# Altium PCB PCB1.PcbDoc (part 2 of 2)
Units mm, origin at the board's own origin, x right, y up, seen from the top; angles counter-clockwise.
Board outline 99.31 x 99.06 mm, 2 copper layers (Top Layer, Bottom Layer); 240 components, 194 nets, 883 pads, 354 vias.
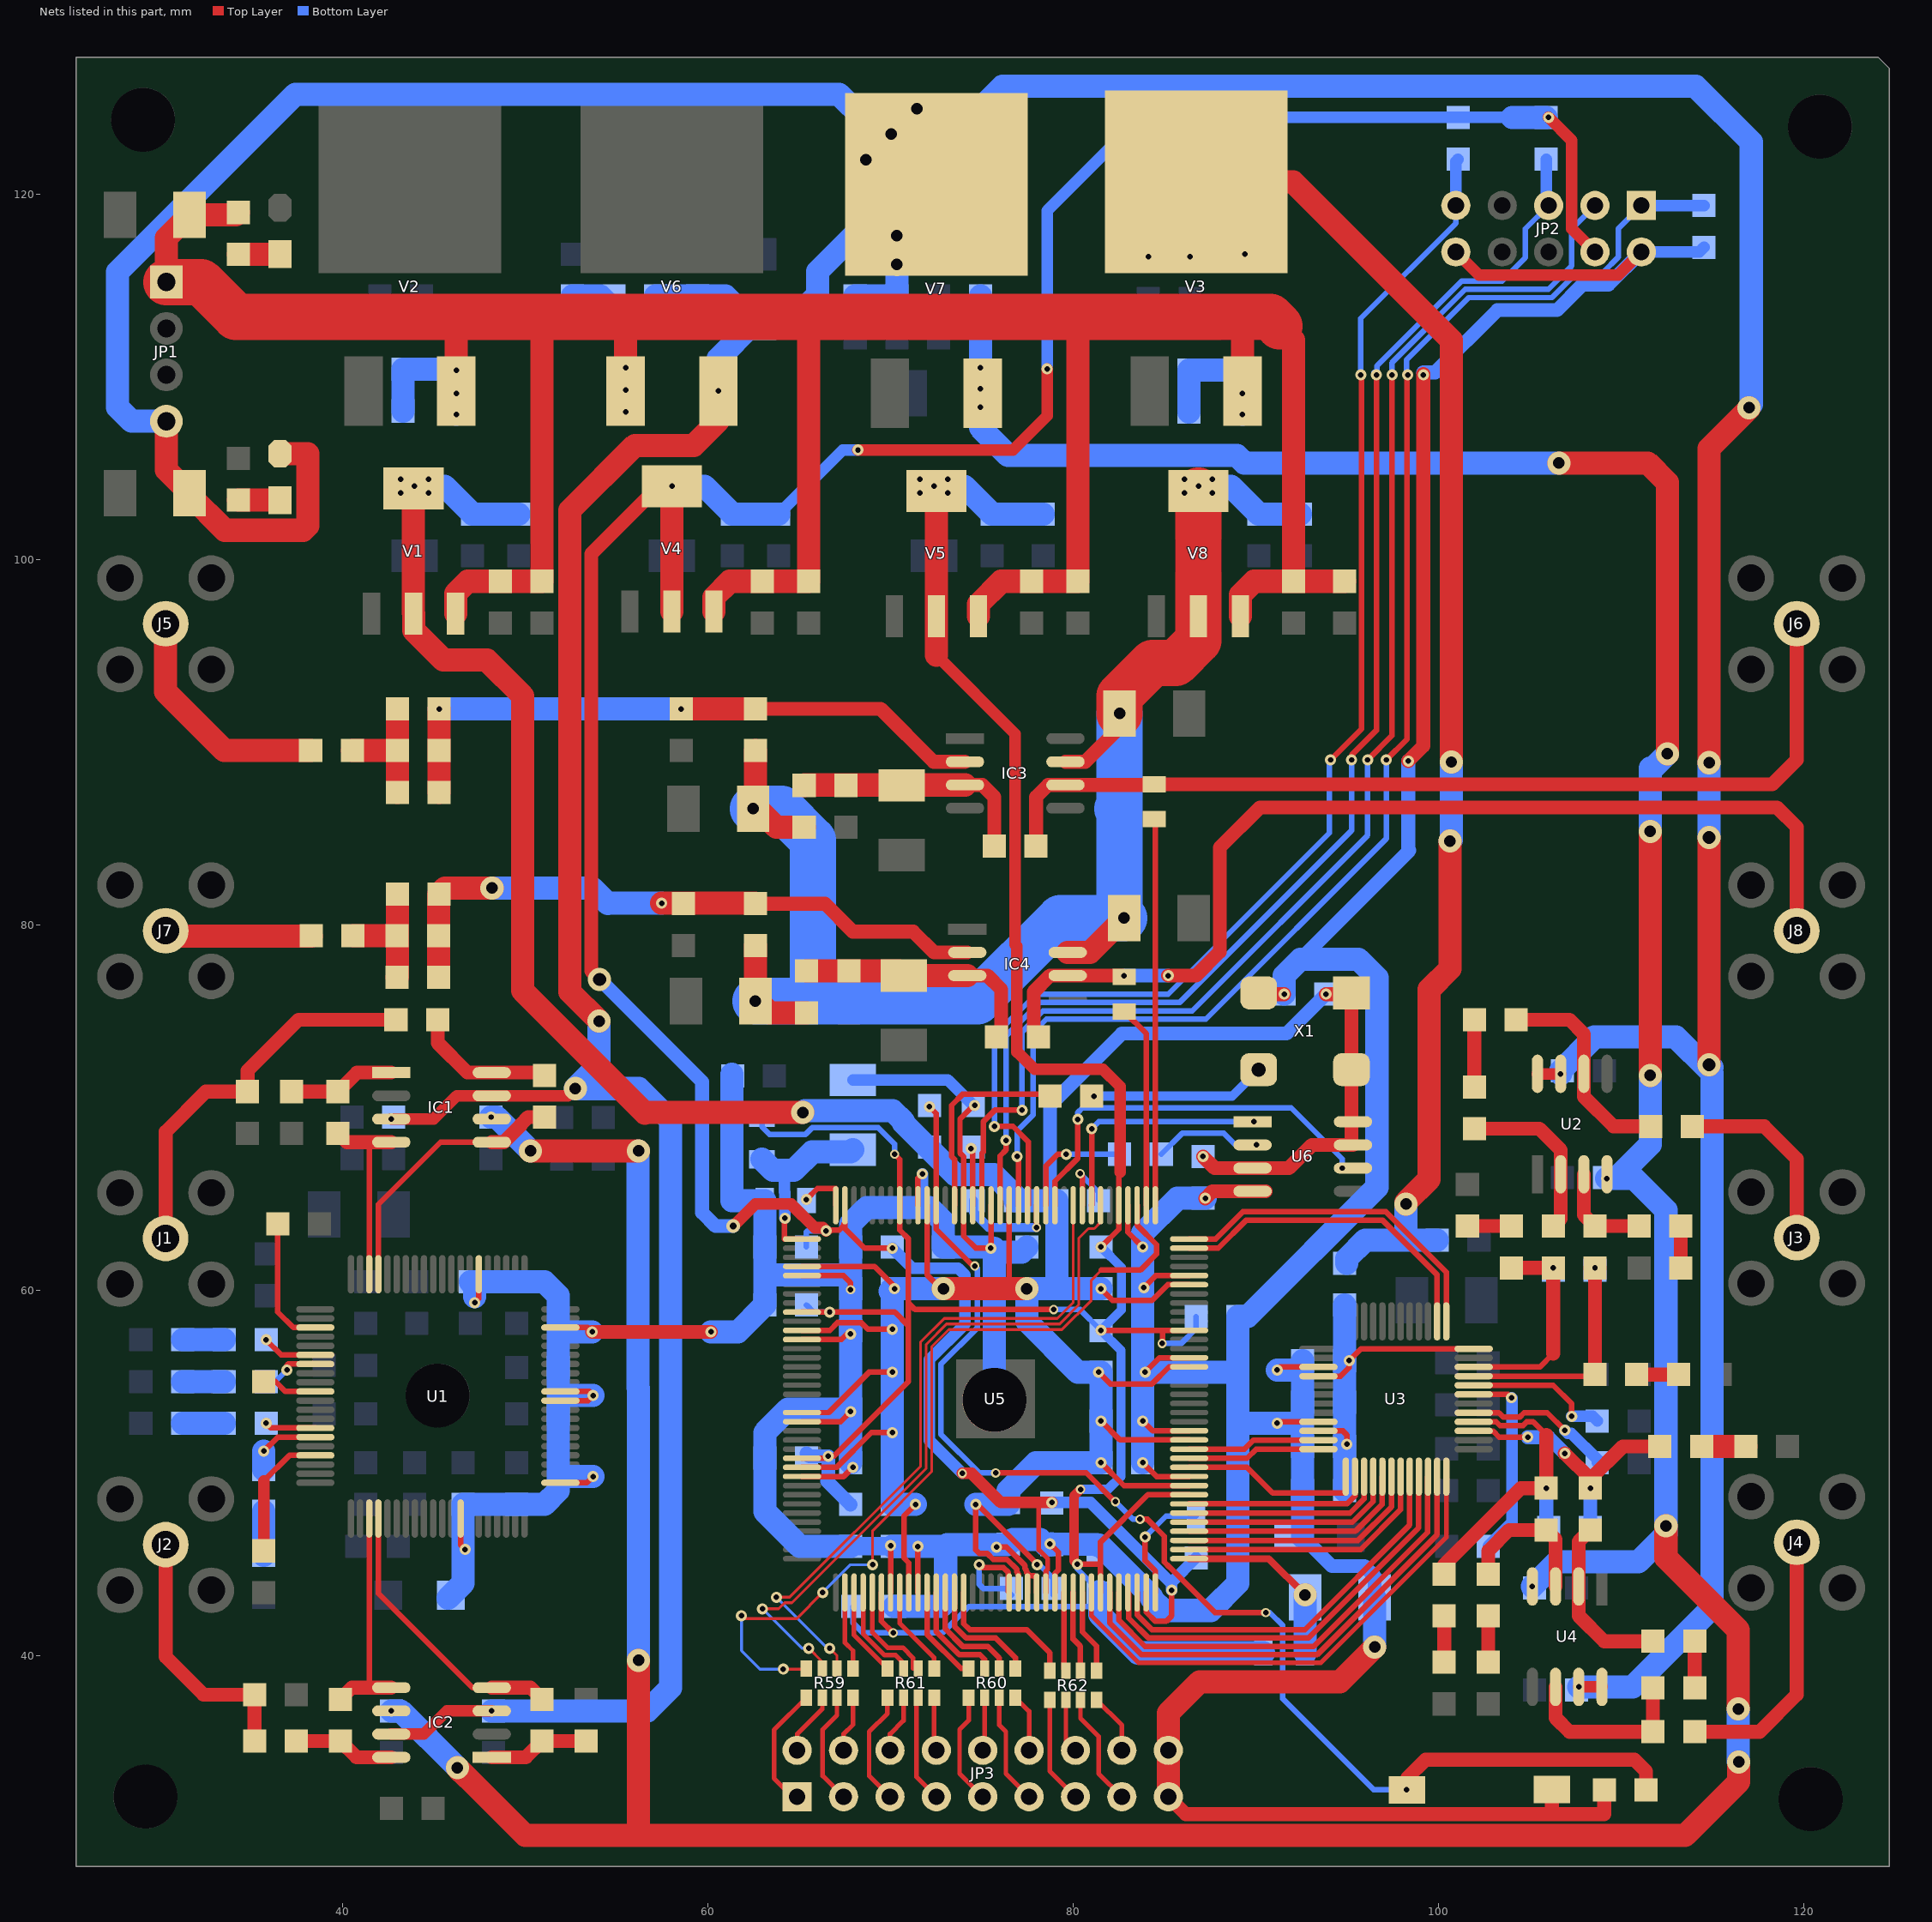
[diagram p2: the nets of this part, all layers, seen from the top]

## Via types
v1: diameter 0.61, hole 0.305, Top Layer to Bottom Layer, 236 vias
v2: diameter 1.27, hole 0.635, Top Layer to Bottom Layer, 79 vias
v3: diameter 0.508, hole 0.305, Top Layer to Bottom Layer, 17 vias
v4: diameter 0.66, hole 0.33, Top Layer to Bottom Layer, tented top, 16 vias
v5: diameter 1.27, hole 0.711, Top Layer to Bottom Layer, 3 vias
v6: diameter 1.27, hole 0.762, Top Layer to Bottom Layer, 1 vias
v7: diameter 1.27, hole 0.61, Top Layer to Bottom Layer, 1 vias
v8: diameter 0.762, hole 0.381, Top Layer to Bottom Layer, 1 vias

## Nets (pads, with @x,y where several pads share a name; then routed paths per layer and width w, separated by ;. In a path a pad name is that pad's centre, name@x,y a point inside that pad or via, vN(x,y) a via of type N, cw(c..) or ccw(c..) an arc to the next point about the centre after c; other vN are vias at no path point) (continued)
DAC_DA12: U3.2 U5.143 | length 18
  Top Layer w0.305: U5.143@86.36,62.292 87.957,62.292 89.496,63.83 96.94,63.83 99.941,60.829 U3.2@99.941,58.286
DAC_DA13: U3.1 U5.144 | length 18.8
  Top Layer w0.305: U5.144@86.36,62.792 87.811,62.792 89.306,64.287 97.13,64.287 100.441,60.976 U3.1@100.441,58.286
DAC_DB0: U3.36 U5.101 | length 27.9
  Top Layer w0.254: U5.101@81.01,43.442 81.01,42.17 83.581,39.599 93.574,39.599 100.441,46.466 U3.36@100.441,49.784
DAC_DB1: U3.35 U5.103 | length 26.2
  Top Layer w0.305: U5.103@82.01,43.442 82.01,41.78 83.76,40.03 93.37,40.03 99.941,46.601 U3.35@99.941,49.784
DAC_DB2: U3.34 U5.104 | length 24.7
  Top Layer w0.305: U5.104@82.51,43.442 82.51,41.927 83.949,40.488 93.181,40.488 99.421,46.727 99.421,49.764 U3.34@99.441,49.784
DAC_DB3: U3.33 U5.105 | length 23.1
  Top Layer w0.305: U5.105@83.01,43.442 83.053,43.399 83.053,42.031 84.139,40.945 92.888,40.945 98.921,46.978 98.921,49.764 U3.33@98.941,49.784
DAC_DB4: U3.32 U5.106 | length 21.5
  Top Layer w0.305: U5.106@83.51,43.442 83.51,42.22 84.328,41.402 92.698,41.402 98.441,47.145 U3.32@98.441,49.784
DAC_DB5: U3.31 U5.110 | length 14.3
  Top Layer w0.305: U5.110@86.36,45.792 95.749,45.792 97.941,47.984 U3.31@97.941,49.784
DAC_DB6: U3.30 U5.111 | length 13.5
  Top Layer w0.305: U5.111@86.36,46.292 95.602,46.292 97.441,48.13 U3.30@97.441,49.784
DAC_DB7: U3.29 U5.112 | length 12.7
  Top Layer w0.305: U5.112@86.36,46.792 95.456,46.792 96.921,48.257 96.921,49.764 U3.29@96.941,49.784
DAC_DB8: U3.28 U5.113 | length 11.9
  Top Layer w0.305: U5.113@86.36,47.292 95.309,47.292 96.441,48.423 U3.28@96.441,49.784
DAC_DB9: U3.27 U5.114 | length 11.1
  Top Layer w0.305: U5.114@86.36,47.792 95.163,47.792 95.941,48.57 U3.27@95.941,49.784
DAC_DB10: U3.26 U5.115 | length 10.3
  Top Layer w0.305: U5.115@86.36,48.292 95.002,48.292 95.441,48.73 U3.26@95.441,49.784
DAC_DB11: U3.25 U5.119 | length 10
  Top Layer w0.305: U5.119@86.36,50.292 89.535,50.292 90.932,48.895 94.941,48.895 U3.25@94.941,49.784
DAC_DB12: U3.24 U5.120 | length 7.3
  Top Layer w0.305: U5.120@86.36,50.792 89.538,50.792 90.031,51.285 U3.24@93.44,51.285
DAC_DB13: U3.23 U5.121 | length 7.3
  Top Layer w0.305: U5.121@86.36,51.292 89.392,51.292 89.885,51.785 U3.23@93.44,51.785
DAC_DVCC: C63.2 C64.2 C65.2 C66.2 R24.2 U3.16 U3.22 U3.48 | length 21.3
  Top Layer w0.305: U3.22@93.44,52.285 94.781,52.285 94.996,52.07 v1(94.996,51.562) ; U3.16@93.44,55.285 94.655,55.285 95.123,55.753 v1(95.123,56.134) 95.774,56.785 U3.48@101.942,56.785
  Bottom Layer w1.27: C66.2@94.869,49.022 C65.2@94.869,51.435 ; C65.2@94.869,51.689 C64.2@94.869,53.848 C63.2@94.869,56.007 ; C63.2@94.869,56.134 R24.2@94.869,59.182
DAC_VCC: C11.2 C12.2 E7.1 R24.1 R26.2 V3.2 | length 78.8
  Top Layer w1.27: V3.2@86.741,120.67 92.055,120.67 100.711,112.014 v7(100.711,88.9) ; v2(98.234,64.706) 98.234,64.804 99.504,66.074 99.504,76.454 100.647,77.597 v2(100.647,84.582)
  Bottom Layer w1.27: v1(84.124,116.586) v1(86.411,116.586) 89.281,116.586 v1(89.408,116.713) ; R24.1@94.996,61.468 94.996,61.722 96.012,62.738 98.234,62.738 ; v2(98.234,64.706) 98.234,62.738 ; R26.2@99.949,62.738 98.234,62.738 ; v2(100.647,84.582) 100.711,84.645 v7(100.711,88.9)
DATA: R58.2 U5.13 | length 6.4
  Top Layer w0.305: U5.13@78.51,64.642 78.51,66.778 79.169,67.437 v1(79.629,67.437)
  Bottom Layer w0.305: v1(79.629,67.437) R58.2@82.55,67.437
DCLK: U5.12 U6.6 | length 21.8
  Top Layer w0.305: U5.12@79.01,64.642 79.01,65.956 80.264,67.21 v1(80.264,69.342)
  Bottom Layer w0.305: v1(80.264,69.342) 80.264,69.723 80.518,69.977 91.948,69.977 94.742,67.183 v1(94.742,66.675)
DGND: C39.1 C40.1 C41.1 C42.1 C43.1 C44.1 C63.1 C64.1 C65.1 C66.1 C75.1 C76.1 C77.1 C78.1 C79.1 C80.1 C81.1 C82.1 C83.1 C84.1 C85.1 C86.1 C87.1 C88.1 C89.1 C90.1 C91.1 C92.1 C93.1 C94.1 C95.1 C96.1 C97.1 C98.1 C99.1 C100.1 C101.1 E15.2 E16.2 JP2.2 JP2.10 JP3.17 JP3.18 L1.2 L3.2 pad.5 R6.2 R29.1 R49.1 R54.2 R66.1 SW1.1 U1.33 U1.41 U1.50 U1.51 U1.58 U1.66 U3.15 U3.21 U5.4 U5.19 U5.22 U5.27 U5.41 U5.48 U5.57 U5.63 U5.79 U5.82 U5.94 U5.95 U5.97 U5.118 U5.123 U5.131 U5.140 U6.4 X1.2 | length 419.7
  Top Layer w0.305: U1.33@46.462,47.491 46.462,46.045 v1(46.711,45.796) ; v1(47.244,59.309) 47.462,59.527 U1.66@47.462,60.866 ; U1.41@51.929,49.447 53.384,49.447 v1(53.721,49.784) ; U1.50@51.929,53.947 53.439,53.947 v1(53.721,54.229) 53.503,54.447 U1.51@51.929,54.447 ; U1.58@51.929,57.947 53.432,57.947 v1(53.67,57.709) ; U5.63@65.16,49.792 67.445,49.792 v1(67.945,50.292) ; U5.57@65.16,52.792 67.27,52.792 v1(67.818,53.34) ; U5.48@65.16,57.292 67.325,57.292 67.627,57.594 v1(67.818,57.594) ; U5.41@65.16,60.792 67.428,60.792 67.818,60.401 v3(67.818,60.02) ; U5.79@70.01,43.442 v1(70.01,46.007) v1@70.071,46.007 ; U5.82@71.51,43.442 v1(71.51,45.965) ; U5.27@71.51,64.642 71.51,66.112 v1(71.755,66.358) ; v1(74.612,70.104) 74.549,70.104 73.812,69.367 73.812,67.502 74.01,67.304 U5.22@74.01,64.642 74.01,62.96 74.676,62.293 v1(75.501,62.293) 75.51,62.302 U5.19@75.51,64.642 ; v1(75.819,45.923) 76.365,45.923 77.379,44.909 77.379,44.762 77.422,44.719 77.422,44.652 77.47,44.604 77.47,44.528 U5.94@77.51,44.488 ; U5.94@77.51,43.442 U5.94@77.51,44.488 ; U5.95@78.01,43.442 78.01,44.215 77.876,44.348 77.649,44.348 U5.94@77.51,44.488 ; v1(78.74,46.101) 79.197,45.644 79.197,44.672 79.01,44.485 U5.97@79.01,43.442 ; U5.4@83.01,64.642 83.01,63.167 v1(83.82,62.357) ; v1(83.82,50.546) 84.574,49.792 U5.118@86.36,49.792 ; v1(83.82,52.832) 84.36,52.292 U5.123@86.36,52.292 ; v1(83.883,60.134) 84.541,60.792 U5.140@86.36,60.792 ; v1(83.947,55.499) 84.74,56.292 U5.131@86.36,56.292 ; v1(91.186,52.705) 91.266,52.785 U3.21@93.44,52.785 ; v1(91.186,55.626) 91.345,55.785 U3.15@93.44,55.785
  Top Layer w0.635: JP2.10@100.965,116.84 102.235,115.57 109.855,115.57 JP2.2@111.125,116.84
  Top Layer w0.762: v1(53.67,57.709) v1(60.173,57.709) ; JP3.17@85.217,32.258 86.169,31.305 106.231,31.305 ; v1(87.249,65.024) 87.63,65.405 U6.4@89.833,65.405 U6.4@90.551,65.405 ; X1.2@90.17,76.268 90.238,76.2 v1(91.567,76.2) ; v1(98.361,88.963) 99.187,89.789 v1(99.187,110.109) v1@99.187,110.16 ; SW1.1@106.231,32.659 106.231,31.305 ; C76.1@109.093,32.639 109.093,31.305 106.231,31.305
  Top Layer w1.27: JP3.17@85.217,32.258 JP3.18@85.217,34.798 85.217,36.83 86.931,38.544 94.615,38.544 v2(96.52,40.45)
  Bottom Layer w0.635: E16.2@67.945,71.501 73.152,71.501 R49.1@74.549,70.104 ; v1(71.755,66.358) 71.755,64.897 72.136,64.516 ; JP2.2@111.125,116.84 114.3,116.84 R54.2@114.554,117.094
  Bottom Layer w0.762: 92.456,78.105 98.425,84.074 98.361,84.138 v1(98.361,88.963) ; 92.583,46.482 94.183,44.882 95.961,44.882 96.52,44.323 E15.2@96.52,43.18 ; v1@99.187,110.236 99.822,110.236 103.238,113.652 106.506,113.652 107.903,115.049 109.327,115.049 JP2.2@111.121,116.844
  Bottom Layer w1.016: C100.1@67.818,45.974 C82.1@70.104,45.974
  Bottom Layer w1.27: R6.2@45.771,43.116 R6.2@45.936,43.282 46.609,43.955 C42.1@46.609,48.26 C41.1@49.53,48.26 51.054,48.26 51.816,49.022 51.816,49.784 ; 47.244,59.642 47.244,60.198 C43.1@46.99,60.452 C44.1@49.53,60.452 51.054,60.452 51.816,59.69 51.816,57.785 ; v1(53.67,57.709) 51.892,57.709 51.816,57.785 ; v1(53.721,49.784) 51.816,49.784 ; v1(53.721,54.229) 51.816,54.229 ; v1(60.173,57.709) 61.646,57.709 C95.1@63.119,59.182 63.119,60.833 ; R66.1@61.316,71.806 61.316,64.897 L1.2@63.119,64.897 C93.1@63.119,62.357 63.119,60.833 ; C100.1@67.818,45.974 65.024,45.974 63.119,47.879 C96.1@63.119,50.8 63.119,52.197 64.389,53.467 C80.1@67.818,53.467 ; C81.1@67.818,50.546 v1(67.818,53.34) C80.1@67.818,53.467 ; C82.1@70.104,45.974 73.025,45.974 ; C99.1@70.231,42.672 72.771,42.672 73.025,42.926 73.025,45.974 ; pad.5@75.692,53.975 75.692,62.103 v1(75.501,62.293) 75.438,62.357 C89.1@72.898,62.357 72.898,63.754 72.136,64.516 68.707,64.516 67.818,63.627 C91.1@67.818,62.357 67.818,60.96 ; v1@75.692,62.289 75.903,62.078 77.191,62.078 C88.1@77.47,62.357 ; C83.1@76.251,46.05 73.101,46.05 73.025,45.974 ; C83.1@76.429,46.063 76.712,46.346 78.202,46.346 78.48,46.068 78.709,46.068 78.742,46.037 78.771,46.059 78.812,46.09 78.841,46.111 78.843,46.111 81.206,46.052 81.28,46.05 81.291,46.048 81.432,46.027 81.49,46.018 84.303,43.205 84.303,43.103 84.95,42.456 87.541,42.456 89.027,43.942 C92.1@89.027,45.339 L3.2@89.027,47.625 89.027,52.705 ; v1(83.82,50.546) v1(83.82,52.832) C86.1@83.82,55.498 ; v1(87.249,65.024) C77.1@87.122,65.024 85.725,65.024 83.82,63.119 v1(83.82,62.357) C87.1@83.82,60.071 C94.1@83.82,57.784 C86.1@83.82,55.498 ; v1(91.186,55.626) C63.1@92.583,55.626 ; v1(91.567,76.2) 91.567,77.216 92.456,78.105 95.631,78.105 96.647,77.089 96.647,65.63 89.564,58.547 C98.1@89.027,58.547 89.027,55.626 ; 92.583,46.482 C66.1@92.583,49.022 C65.1@92.583,51.435 92.583,52.705 ; C63.1@92.583,56.134 C63.1@92.583,55.626 ; v2(96.52,40.45) E15.2@96.52,43.18 ; 51.816,49.784 C40.1@51.816,53.213 51.816,54.229 ; 51.816,54.229 C39.1@51.816,55.752 51.816,57.785 ; 63.119,60.833 67.691,60.833 67.818,60.96 ; C80.1@67.818,53.467 v1(67.818,57.594) C79.1@67.818,57.784 v3(67.818,60.02) C78.1@67.818,60.071 67.818,60.96 ; C86.1@83.82,55.498 88.899,55.498 89.027,55.626 ; 89.027,52.705 v1(91.186,52.705) 92.583,52.705 ; 89.027,52.705 89.027,55.626 ; 92.583,52.705 C64.1@92.583,53.848 C63.1@92.583,55.626
FPGA_1.2V: C23.2 C24.2 C94.2 C95.2 C96.2 C97.2 C98.2 C99.2 C100.2 C101.2 E10.1 L2.1 L4.1 U5.5 U5.29 U5.45 U5.61 U5.78 U5.102 U5.116 U5.134 V5.2 | length 177.6
  Top Layer w0.305: U5.61@65.16,50.792 66.54,50.792 66.599,50.851 v1(66.599,50.901) 66.903,50.901 70.993,54.991 70.993,58.039 ; U5.45@65.16,58.792 v1(66.675,58.792) 70.24,58.792 70.993,58.039 ; U5.78@69.51,43.442 69.51,41.869 v3(70.155,41.224) ; v3(70.231,67.437) 70.51,67.158 U5.29@70.51,64.642 ; U5.29@70.508,64.687 70.508,63.287 70.993,62.801 70.993,59.284 ; v3(78.943,58.928) 71.349,58.928 70.993,59.284 ; v1(80.239,44.983) 81.459,44.983 81.51,44.933 ; U5.102@81.51,43.442 81.51,44.933 ; v1(81.527,57.792) 84.912,57.792 ; v1(81.534,62.357) 82.51,63.333 U5.5@82.51,64.642 82.51,66.381 82.575,66.446 ; v3(84.887,57.074) 84.912,57.099 84.912,57.792 ; U5.116@86.36,48.792 84.098,48.792 81.51,46.204 81.51,44.933 ; U5.134@86.36,57.792 84.912,57.792 ; 70.993,58.039 70.993,59.284
  Top Layer w0.508: v1(80.239,44.983) 80.061,45.161 80.061,48.73 v3(80.416,49.085)
  Top Layer w0.635: 72.517,94.767 76.835,90.449 76.835,82.817 76.822,82.804 76.822,78.93 76.924,78.829 76.924,73.032 76.955,73.032 77.902,72.085 81.636,72.085 82.575,71.145 82.575,66.446
  Top Layer w1.27: 72.517,94.767 V5.2@72.517,96.901 V5.2@72.517,103.759
  Bottom Layer w0.305: L2.1@62.967,69.444 62.967,68.936 63.373,68.529 65.359,68.529 65.714,68.885 69.341,68.885 70.231,67.995 v3(70.231,67.437) ; C95.2@65.405,59.182 65.795,58.792 v1(66.675,58.792) ; C99.2@67.945,42.672 67.945,41.783 68.504,41.224 v3(70.155,41.224) 72.847,41.224 74.295,42.672 81.026,42.672 81.458,42.24 ; v3(78.943,58.928) 80.391,58.928 v1(81.527,57.792) ; v1(80.239,44.983) 80.239,44.729 C101.2@81.458,43.51 ; v3(84.887,57.074) 85.928,57.074 86.741,57.887 C98.2@86.741,58.547
  Bottom Layer w0.508: v3(80.416,49.085) 81.918,49.085 82.626,49.794 82.626,56.693 v1(81.527,57.792) 82.652,58.916 82.652,61.239 v1(81.534,62.357)
  Bottom Layer w0.762: C96.2@65.405,51.054 65.558,50.901 v1(66.599,50.901) 66.599,49.581 66.548,49.53 C100.2@67.818,48.26
  Bottom Layer w1.27: v1(72.39,104.013) 74.041,104.013 C23.2@75.565,102.489 C24.2@78.359,102.489 ; C101.2@81.458,43.51 81.458,42.24 83.566,40.132 L4.1@90.424,40.132
  other v1: 71.628,103.632 73.152,103.632 71.628,104.394 73.152,104.394
FPGA_2.5V: C15.2 C16.2 C90.2 C91.2 C92.2 C93.2 E8.1 JP2.4 R55.2 R56.2 U5.35 U5.96 U5.107 V4.2 | length 181.5
  Top Layer w0.254: 78.105,48.362 78.13,48.336 78.13,45.771 78.616,45.285 78.616,44.716 78.51,44.61 78.51,44.574
  Top Layer w0.305: v1(66.484,63.246) 66.739,63.246 66.779,63.287 67.198,63.287 67.465,63.553 67.465,63.645 67.51,63.691 67.51,63.364 68.58,62.293 v1(70.104,62.293) ; U5.96@78.51,43.442 78.51,44.574 ; U5.107@84.01,43.442 84.01,42.367 84.517,41.859 85.103,41.859 85.407,42.164 v1(85.407,43.561)
  Top Layer w0.635: v8(61.392,63.5) 62.598,64.706 64.563,64.706 65.858,63.412 66.317,63.412 66.482,63.246 v1(66.484,63.246) ; v1(68.224,105.994) 76.708,105.994 78.588,107.874 v1(78.588,110.439) ; v3(73.939,49.962) 74.447,49.962 76.048,48.362 78.105,48.362 v1(78.842,48.362) ; v1(106.045,124.206) 107.315,122.936 107.315,118.11 JP2.4@108.585,116.84
  Top Layer w0.762: v5(54.077,77.013) 53.619,77.47 53.619,100.305 V4.2@57.328,104.013
  Top Layer w1.27: V4.2@57.328,104.013 v1(58.039,104.013) V4.2@58.039,97.155
  Bottom Layer w0.305: C93.2@65.405,62.357 65.405,63.182 65.469,63.246 v1(66.484,63.246)
  Bottom Layer w0.635: C16.2@63.881,102.489 67.386,105.994 v1(68.224,105.994) ; v1(70.104,62.293) 71.209,61.189 73.715,61.189 74.092,60.812 74.092,58.141 72.136,56.185 72.136,51.765 v3(73.939,49.962) ; v1(78.588,110.439) 78.588,119.101 83.693,124.206 R56.2@101.092,124.206 104.064,124.206 ; v1(78.842,48.362) 80.958,48.362 85.407,43.912 ; v1(85.407,43.561) 85.407,43.912 ; C92.2@86.741,45.339 85.407,44.005 85.407,43.912 ; JP2.4@108.585,116.84 JP2.4@108.712,116.84
  Bottom Layer w0.762: v5(54.077,77.013) 59.69,71.399 59.69,64.237 60.427,63.5 v8(61.392,63.5)
  Bottom Layer w1.27: v1(58.039,104.013) 59.817,104.013 C15.2@61.341,102.489 C16.2@63.881,102.489 ; 104.064,124.206 R55.2@105.918,124.206
FPGA_3.3V: C3.2 C4.2 C75.2 C77.2 C78.2 C79.2 C80.2 C81.2 C82.2 C83.2 C84.2 C85.2 C86.2 C87.2 C88.2 C89.2 E2.1 R50.1 R51.1 R52.1 R57.2 U5.17 U5.26 U5.40 U5.47 U5.56 U5.62 U5.81 U5.93 U5.117 U5.122 U5.130 U5.139 U6.3 U6.7 U6.8 V1.2 X1.1 X1.4 | length 235.3
  Top Layer w0.305: U5.62@65.16,50.292 67.056,50.292 68.961,52.197 v1(70.104,52.197) ; U5.56@65.16,53.292 66.627,53.292 68.834,55.499 v1(70.104,55.499) ; U5.47@65.16,57.792 66.682,57.792 67.12,58.229 67.145,58.204 68.415,58.204 68.77,57.848 v1(70.104,57.848) ; U5.40@65.16,61.292 69.137,61.292 70.231,60.198 v1(70.231,60.071) ; U5.81@71.01,43.442 71.01,45.068 70.739,45.339 70.739,47.625 v1(71.374,48.26) ; U5.26@72.01,64.642 72.01,60.832 72.771,60.071 v2(72.898,60.071) ; 76.51,60.127 U5.17@76.51,64.642 ; U5.93@77.01,43.442 77.01,44.417 76.965,44.463 76.965,44.53 76.922,44.573 76.922,44.719 76.388,45.254 75.626,45.254 75.312,45.568 74.879,45.568 74.676,45.771 v1(74.676,48.26) 74.778,48.26 78.032,45.006 v1(78.032,44.958) ; v1(81.407,55.499) 82.042,54.864 84.328,54.864 85.256,55.792 U5.130@86.36,55.792 ; v1(81.534,50.546) 82.788,49.292 U5.117@86.36,49.292 ; v1(81.534,52.832) 82.574,51.792 U5.122@86.36,51.792 ; v1(81.534,60.071) 82.169,59.436 84.328,59.436 85.184,60.292 U5.139@86.36,60.292
  Top Layer w0.762: v1(87.122,67.31) 87.757,66.675 U6.3@89.833,66.675 91.821,66.675 93.091,67.945 U6.7@95.333,67.945 ; v1(93.853,76.2) 95.182,76.2 X1.1@95.25,76.268 U6.7@95.25,68.028
  Top Layer w1.27: V1.2@43.878,97.091 V1.2@43.878,103.95 ; V1.2@43.892,97.028 43.892,96.126 45.529,94.488 47.904,94.488 49.86,92.532 49.86,76.389 56.564,69.685 56.603,69.723 v2(65.202,69.723) ; v2(72.898,60.071) v2(77.47,60.071)
  Bottom Layer w0.305: v1@78.067,45.06 78.93,44.196 R50.1@78.93,43.307
  Bottom Layer w0.762: 78.359,64.897 78.74,65.278 78.74,70.104 82.677,74.041 91.694,74.041 v1(93.853,76.2)
  Bottom Layer w1.27: v1(43.942,104.013) 45.593,104.013 C3.2@47.117,102.489 C4.2@49.657,102.489 ; v2(65.202,69.723) 65.303,69.825 70.129,69.825 70.714,69.24 70.714,69.143 73.537,66.319 75.667,66.319 76.835,65.151 R51.1@76.835,64.897 78.359,64.897 R52.1@79.121,64.897 79.121,60.071 v1(81.534,60.071) ; C79.2@70.104,57.784 v1(70.104,55.499) C80.2@70.104,53.467 v1(70.104,52.197) C81.2@70.104,50.546 C82.2@70.104,48.26 v1(71.374,48.26) ; v1(70.104,57.848) 70.104,59.817 69.977,59.944 C78.2@70.104,60.071 v1(70.231,60.071) v2(72.898,60.071) ; v1(74.676,48.26) 76.454,48.26 C83.2@76.454,48.362 76.454,49.022 77.978,50.546 v1(81.534,50.546) v1(81.534,52.832) C86.2@81.534,55.498 ; 78.994,60.071 v2(77.47,60.071) 77.47,58.293 80.264,55.499 v1(81.407,55.499)
  other v1: 43.18,103.632 44.704,103.632 43.18,104.394 44.704,104.394
FPGA_CLK: R53.2 U5.23 | length 11.2
  Top Layer w0.305: U5.23@73.51,64.642 73.51,67.158 73.355,67.313 73.355,70.117 73.952,70.714 78.638,70.714 R53.2@78.74,70.612
FPGA_RESET: C76.2 R57.1 SW1.2 U5.25 | length 72
  Top Layer w0.305: v1(72.136,70.04) 72.51,69.667 U5.25@72.51,64.642 72.51,63.329 74.524,61.316 v3(74.625,61.316) ; v3(75.768,49.987) 80.721,49.987 v3@82.309,48.4 ; v3(83.668,47.447) 84.074,47.447 85.005,46.516 85.005,45.103 85.272,44.837 85.287,44.837 87.782,42.342 v3@90.551,42.342
  Top Layer w0.762: SW1.2@98.298,32.639 98.298,33.274 99.314,34.29 110.744,34.29 111.379,33.655 C76.2@111.379,32.639
  Bottom Layer w0.305: v3(74.625,61.316) 74.752,61.189 74.752,57.921 72.758,55.927 72.758,52.108 74.879,49.987 v3@75.743,49.987 ; v3(82.321,48.412) 83.287,47.447 v3(83.668,47.447) ; v3(90.56,42.342) 90.78,42.342 91.491,41.631 91.491,37.617 96.469,32.639 v3(98.273,32.639)
GPIO0: R59.8 U5.3 | length 45.8
  Top Layer w0.152: v1(61.849,42.164) 62.001,42.012 64.872,42.012 v1(66.294,43.434) ; v1(64.135,39.243) 65.357,39.243 R59.8@65.395,39.281 ; v1(69.025,44.958) 69.025,46.826 72.263,50.065 72.263,56.896 73.203,57.836 79.396,57.836 81.001,59.441 81.001,60.528 81.559,61.087
  Top Layer w0.305: 81.559,61.087 83.693,61.087 84.582,61.976 84.582,62.484 83.51,63.556 U5.3@83.51,64.642
  Bottom Layer w0.152: v1(61.849,42.164) 61.849,40.259 62.865,39.243 v1(64.135,39.243) ; v1(66.294,43.434) 67.818,44.958 v1(69.025,44.958)